# Altium PCB SEC_3002_DZ&HL.PcbDoc (part 7 of 7)
Units mm, origin at the board's own origin, x right, y up, seen from the top; angles counter-clockwise.
Board outline 200 x 170 mm, 2 copper layers (Top Layer, Bottom Layer); 589 components, 413 nets, 1696 pads, 1215 vias.
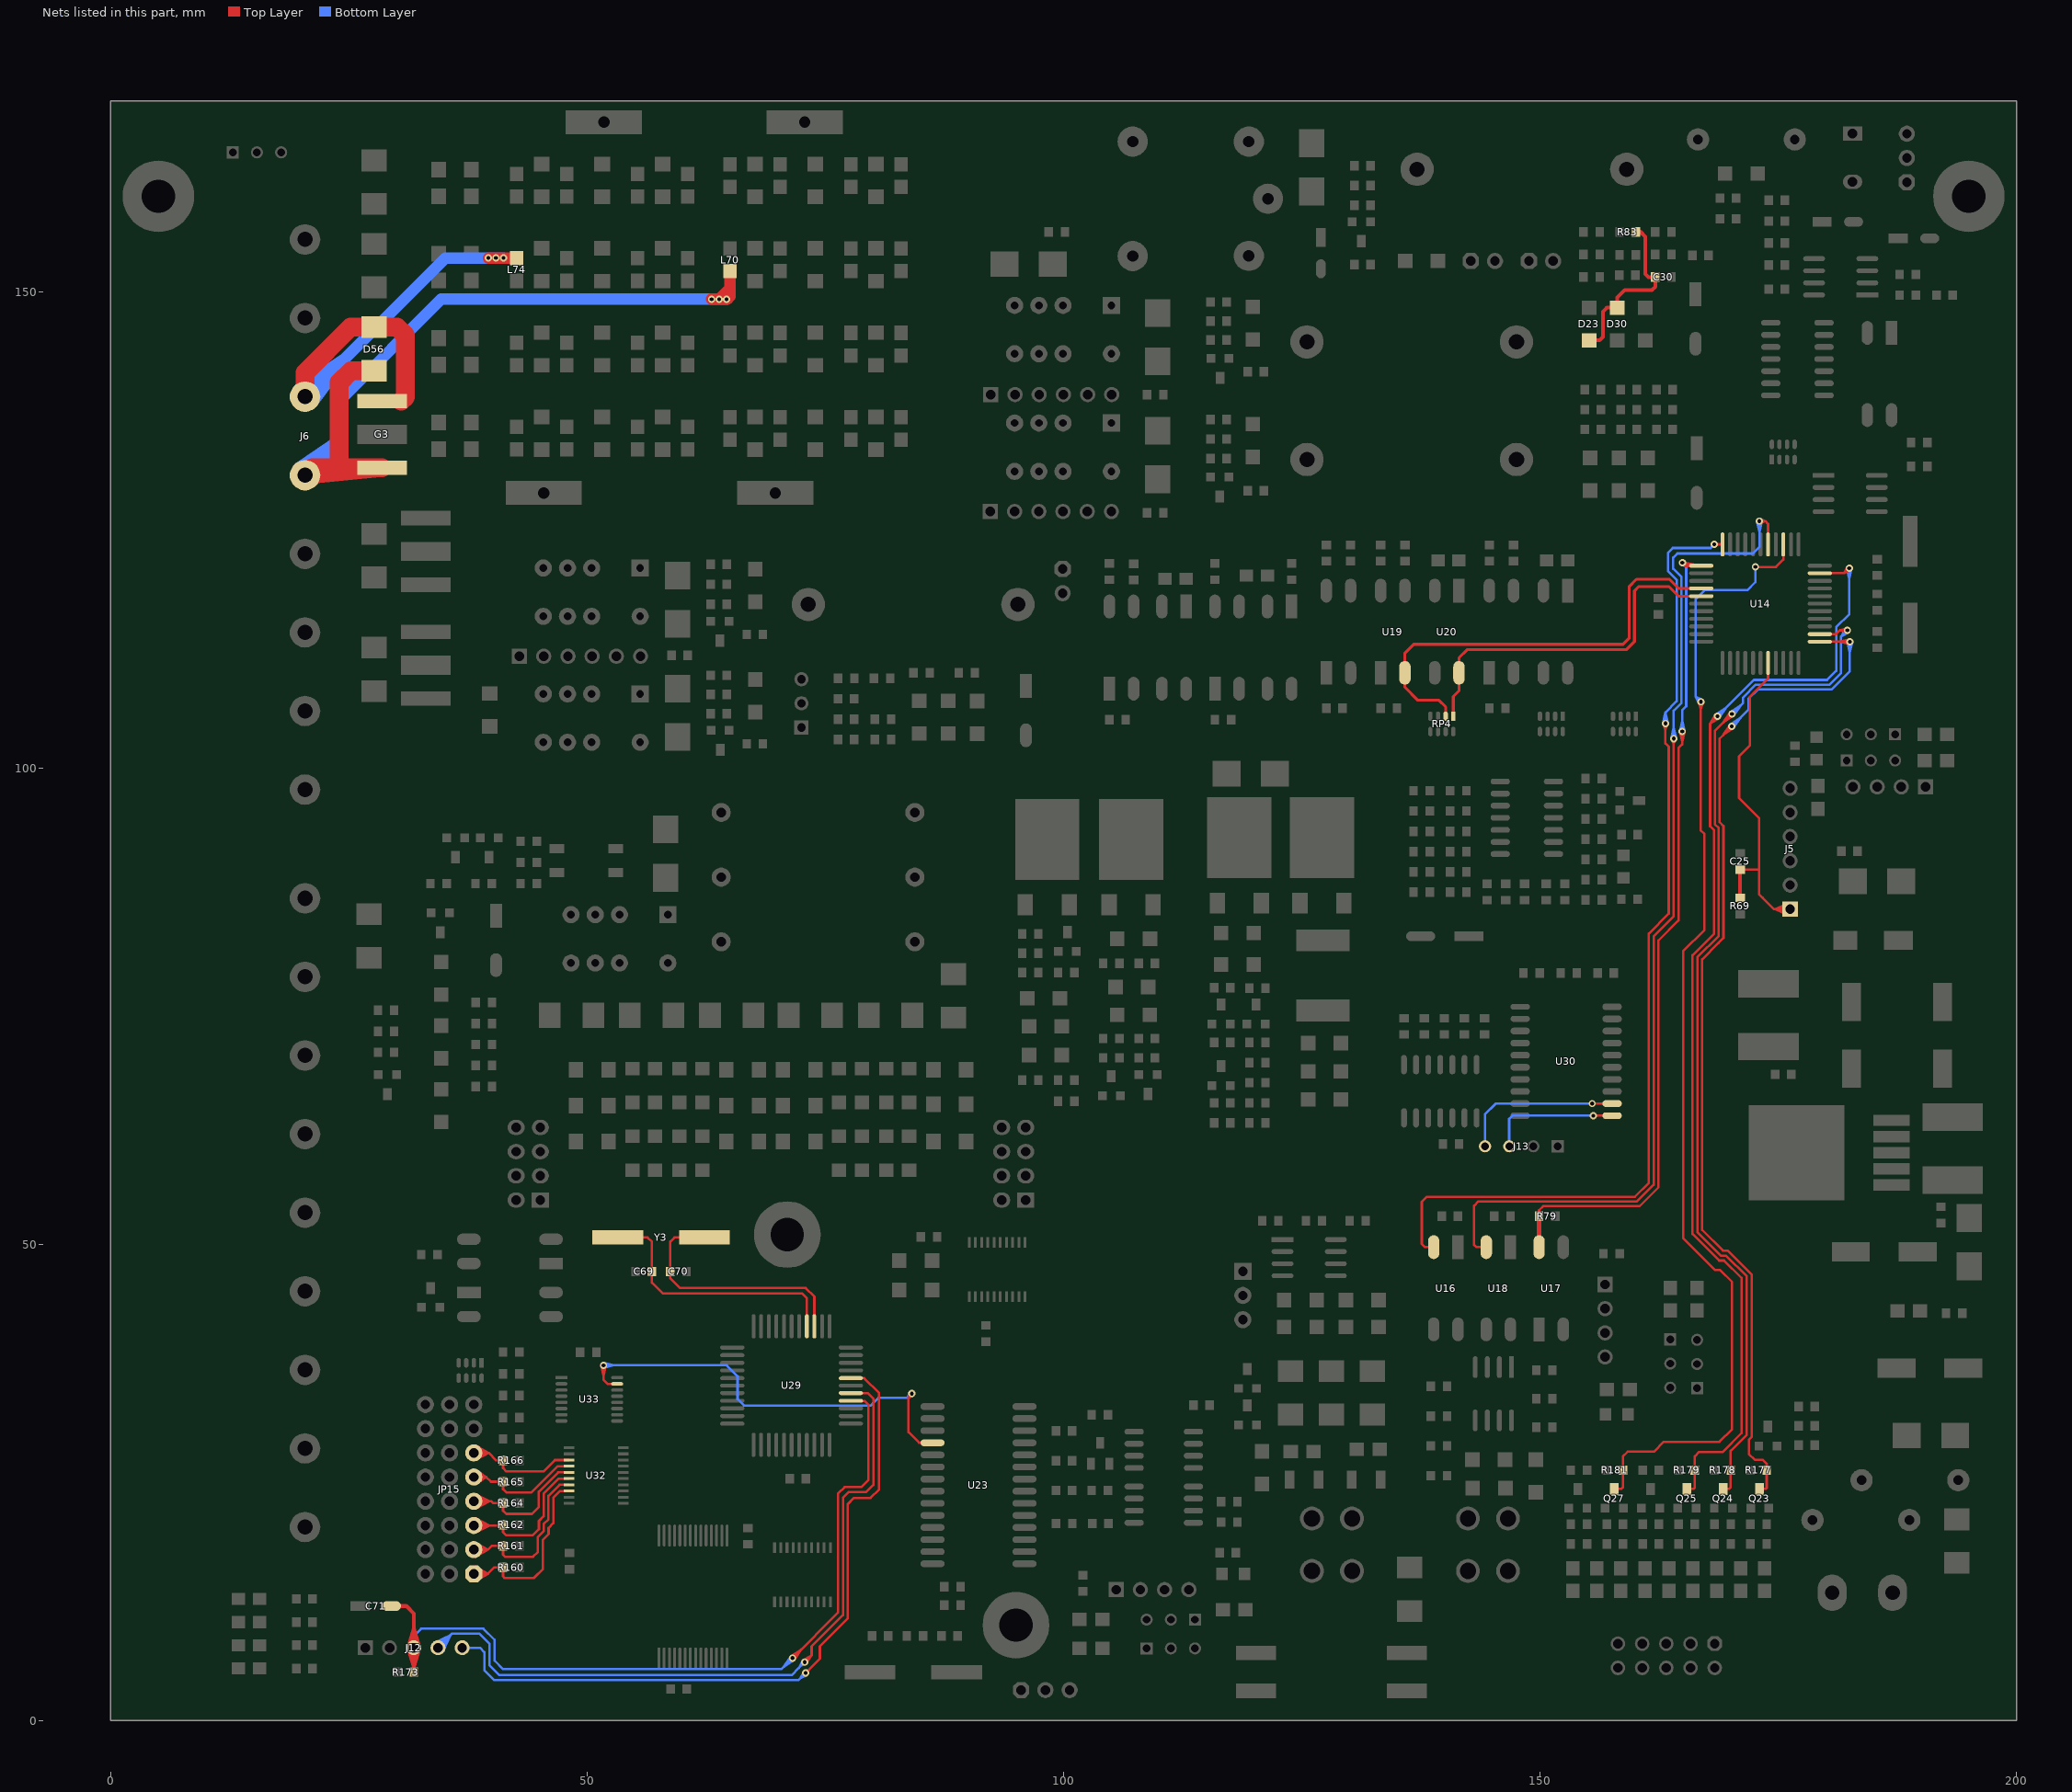
[diagram p7: the nets of this part, all layers, seen from the top]

## Via types
v1: diameter 0.762, hole 0.406, Top Layer to Bottom Layer, tented both sides, 786 vias
v2: diameter 0.7, hole 0.4, Top Layer to Bottom Layer, tented both sides, 375 vias
v3: diameter 1, hole 0.6, Top Layer to Bottom Layer, tented both sides, 41 vias
v4: diameter 0.9, hole 0.5, Top Layer to Bottom Layer, tented both sides, 4 vias
v5: diameter 0.8, hole 0.5, Top Layer to Bottom Layer, tented both sides, 4 vias
v6: diameter 1.016, hole 0.508, Top Layer to Bottom Layer, tented both sides, 3 vias
v7: diameter 0.9, hole 0.6, Top Layer to Bottom Layer, tented both sides, 1 vias
v8: diameter 0.762, hole 0.5, Top Layer to Bottom Layer, tented both sides, 1 vias

## Nets (pads, with @x,y where several pads share a name; then routed paths per layer and width w, separated by ;. In a path a pad name is that pad's centre, name@x,y a point inside that pad or via, vN(x,y) a via of type N, cw(c..) or ccw(c..) an arc to the next point about the centre after c; other vN are vias at no path point) (continued)
PWR_DC: Q23.C R177.2 U14.23 | length 119.8
  Top Layer w0.25: v1@169.926,104.512 169.212,103.438 ; v1@170.286,104.152 169.212,103.438 ; Q23.C@173.055,24.298 173.685,24.298 173.784,24.397 R177.2@173.784,26.27 173.784,26.93 173.356,27.358 172.538,27.358 171.918,27.977 171.918,29.468 172.226,29.775 172.226,46.784 169.694,49.315 169.179,49.315 167.01,51.484 167.01,79.903 168.716,81.609 169.251,82.144 169.251,93.885 168.847,94.289 168.847,103.073 v1(170.124,104.35) 169.212,103.438 ; 180.66,113.246 v1(182.52,113.246) 181.389,113.246 ; v1@182.491,112.991 181.389,113.246 ; v1@182.491,113.5 181.389,113.246
  Bottom Layer w0.25: v1@169.961,104.548 171.035,105.261 v1@170.322,104.188 ; v1(170.124,104.35) 171.871,106.097 171.871,107.241 172.858,108.228 174.002,108.228 180.584,108.228 182.514,110.158 182.514,113.239 v1(182.52,113.246) 182.514,112.115 ; v1@182.266,113.218 182.514,112.115 ; v1@182.774,113.215 182.514,112.115
PWR_DCE: Q27.C R181.2 U14.36 | length 125.1
  Top Layer w0.25: Q27.C@157.782,24.298 158.536,24.298 158.704,24.466 R181.2@158.704,26.27 158.704,27.734 159.189,28.219 161.957,28.219 162.982,29.244 168.826,29.244 170.151,30.569 170.151,46.03 168.906,47.275 168.391,47.275 165.01,50.656 165.01,80.731 167.251,82.972 167.251,93.056 166.847,93.461 166.847,106.176 ; v1@166.634,106.934 166.652,106.871 166.847,106.176 ; v1(166.889,106.937) 166.847,106.895 166.847,106.176 ; v1@167.147,106.892 167.125,106.838 166.847,106.176 ; v1(172.604,121.09) 174.772,121.09 175.53,121.849 U14.36@175.53,123.457
  Bottom Layer w0.25: v1@166.68,106.788 166.342,107.484 ; v1@167.037,107.145 166.342,107.484 ; v1(172.604,121.09) 172.604,119.489 171.761,118.646 167.25,118.646 166.342,117.738 166.342,107.484 ; 166.342,107.484 v1(166.889,106.937) 166.342,107.484
PWR_DCF: Q24.C R178.2 U14.24 | length 120
  Top Layer w0.25: Q24.C@169.236,24.298 169.84,24.298 170.014,24.472 R178.2@170.014,26.27 170.014,28.311 171.691,29.988 171.691,46.611 169.528,48.775 169.012,48.775 166.51,51.277 166.51,80.11 168.751,82.351 168.751,93.678 168.347,94.082 168.347,103.86 v1(170.141,105.654) 169.229,104.743 ; v1@169.942,105.817 169.229,104.743 ; v1@170.303,105.456 169.229,104.743 ; U14.24@179.365,114.033 181.059,114.033 181.463,114.438 ; v1@182.219,114.185 181.463,114.438 ; v1@182.219,114.69 181.463,114.438 ; 181.463,114.438 v1(182.26,114.438) 181.463,114.438
  Bottom Layer w0.25: v1@169.978,105.853 171.052,106.566 v1@170.339,105.492 ; v1(170.141,105.654) 171.303,106.817 171.303,107.38 172.651,108.728 173.214,108.728 180.377,108.728 181.598,109.949 181.598,113.776 ; v1@182.056,114.592 181.598,113.776 ; v1@182.415,114.233 181.598,113.776 ; 181.598,113.776 v1(182.26,114.438) 181.598,113.776
PWR_DCT: Q25.C R179.2 U14.32 | length 144
  Top Layer w0.25: Q25.C@165.418,24.298 166.098,24.298 166.244,24.444 R179.2@166.244,26.27 166.244,27.73 166.702,28.188 169.184,28.188 171.156,30.16 171.156,46.439 169.321,48.275 168.805,48.275 166.01,51.07 166.01,80.317 168.251,82.558 168.251,93.471 167.847,93.875 167.847,104.631 167.889,104.673 ; U14.32@179.365,120.434 181.929,120.434 ; v1@182.246,121.107 181.929,120.434 ; v1@182.603,120.751 181.929,120.434 ; 167.889,104.673 v1(168.616,105.4) ; 167.889,104.673 v1(168.616,105.4) ; 167.889,104.673 168.773,105.198 167.889,104.673 ; 167.889,104.673 168.413,105.557 167.889,104.673 ; 167.889,104.673 v1(168.616,105.4) ; 167.889,104.673 v1(168.616,105.4) ; 181.929,120.434 v1(182.455,120.96) 181.929,120.434
  Bottom Layer w0.25: v1@182.201,120.931 182.455,119.829 ; v1@182.71,120.931 182.455,119.829 ; v1@168.453,105.598 169.527,106.312 ; v1@168.453,105.598 169.527,106.312 ; v1@168.453,105.598 169.527,106.312 ; v1@168.453,105.598 169.527,106.312 ; v1(168.616,105.4) 172.444,109.228 180.126,109.228 181.086,110.189 181.086,114.778 182.455,116.147 v1(182.455,120.96) 182.455,119.829 ; v1(168.616,105.4) 169.527,106.312 ; v1(168.616,105.4) 169.527,106.312 ; v1@168.814,105.238 169.527,106.312 ; v1@168.814,105.238 169.527,106.312 ; v1@168.814,105.238 169.527,106.312 ; v1@168.814,105.238 169.527,106.312
RST: C71.2 J12.3 R173.2 U29.4 | length 110.3
  Top Layer w0.25: v1@71.39,6.744 72.463,7.458 v1@71.75,6.384 ; v1(71.552,6.546) 76.345,11.34 76.345,23.841 77.007,24.503 78.778,24.503 79.525,25.25 79.525,33.141 79.118,33.548 U29.4@77.672,33.548
  Top Layer w0.4: C71.2@29.454,12.014 31.009,12.014 31.799,11.224 J12.3@31.799,7.632 ; J12.3@31.221,7.546 31.799,5.647 ; J12.3@31.221,7.719 31.799,9.617 J12.3@32.378,7.719 ; R173.2@31.799,5.145 J12.3@31.799,7.632 ; J12.3@32.378,7.546 31.799,5.647 ; 31.799,5.647 J12.3@31.799,7.632
  Bottom Layer w0.25: J12.3@31.163,7.81 31.799,8.861 ; J12.3@31.395,7.701 31.799,8.861 ; J12.3@31.639,7.643 31.799,8.861 ; J12.3@31.799,7.632 31.799,8.861 ; J12.3@31.959,7.643 31.799,8.861 ; J12.3@32.203,7.701 31.799,8.861 ; J12.3@32.435,7.81 31.799,8.861 ; v1@71.354,6.708 70.64,5.635 ; v1@71.714,6.348 70.64,5.635 ; 31.799,8.861 32.568,9.629 39.109,9.629 40.277,8.461 40.277,6.287 41.181,5.383 70.389,5.383 v1(71.552,6.546) 70.64,5.635
RXD: J12.4 U29.5 | length 91.6
  Top Layer w0.254: v1@72.67,6.325 73.558,6.856 ; v1(72.827,6.125) 73.558,6.856 ; v1@73.027,5.968 73.558,6.856 ; U29.5@77.672,34.361 79.446,34.361 80.027,33.779 80.027,24.725 79.282,23.98 77.466,23.98 76.847,23.361 76.847,11.052 73.558,7.763 73.558,6.856
  Bottom Layer w0.254: J12.4@33.963,8.172 35.663,8.956 ; J12.4@34.086,7.947 35.663,8.956 ; J12.4@34.237,7.743 35.663,8.956 ; J12.4@34.339,7.632 35.834,9.127 38.659,9.127 39.731,8.055 39.731,5.789 40.762,4.757 71.459,4.757 72.195,5.493 ; J12.4@34.449,7.531 35.663,8.956 ; J12.4@34.654,7.379 35.663,8.956 ; J12.4@34.879,7.256 35.663,8.956 ; v1@72.596,6.191 72.195,5.493 ; v1(72.827,6.125) 72.506,5.804 ; v1@72.835,5.895 72.506,5.804 ; 72.195,5.493 72.506,5.804
RXD1: J13.3 U30.11 | length 13.8
  Top Layer w0.254: v1(155.582,63.485) U30.11@157.567,63.485
  Bottom Layer w0.254: J13.3@146.766,60.27 146.766,63.156 147.095,63.485 v1(155.582,63.485)
RXD_DZ: R79.1 U14.1 U17.4 | length 94.9
  Top Layer w0.25: R79.1@149.9,52.915 149.9,53.558 150.32,53.978 160.443,53.978 162.421,55.956 162.421,81.873 164.531,83.983 164.531,102.066 164.924,102.459 v1(164.924,103.823) 164.924,102.692 ; v1@164.67,103.794 164.924,102.692 ; v1@165.179,103.794 164.924,102.692
  Top Layer w0.381: U14.1@166.541,121.221 v1(164.938,121.542) 165.258,121.221 U14.1@166.919,121.221
  Top Layer w0.5: U17.4@149.9,49.681 R79.1@149.9,52.915
  Bottom Layer w0.25: v1@164.67,103.852 164.924,104.954 v1@165.179,103.852 ; v1@164.802,121.325 165.342,121.138 ; v1(164.924,103.823) 164.924,106.037 165.342,106.455 165.342,121.138 ; v1(164.938,121.542) 165.342,121.138 ; v1@165.155,121.678 165.342,121.138
"S.C. OPEN&SHORT CHECK": C30.1 D23.A D30.K R83.2 | length 18.8
  Top Layer w0.4: D23.A@155.151,144.873 156.249,144.873 156.597,145.221 156.597,147.878 157.021,148.302 D30.K@158.105,148.302 158.105,149.364 158.892,150.151 161.74,150.151 162.094,150.505 C30.1@162.094,151.516 161.376,151.516 161.061,151.832 161.061,155.732 160.538,156.255 R83.2@160.045,156.255
S.C.FAULTIN: RP4.1 U14.5 U20.4 | length 38.4
  Top Layer w0.3: RP4.1@140.894,105.408 140.894,107.482 141.494,108.081 U20.4@141.494,109.974 141.494,111.554 142.335,112.396 159.056,112.396 159.916,113.256 159.916,118.573 160.374,119.031 163.513,119.031 164.523,118.021 U14.5@166.919,118.021
S.C.OUTCTRL: RP4.2 U14.4 U19.2 | length 47.6
  Top Layer w0.3: RP4.2@140.094,105.408 140.094,106.389 139.392,107.091 137.177,107.091 135.819,108.449 U19.2@135.819,109.974 135.819,112.054 136.734,112.969 158.703,112.969 159.366,113.633 159.366,119.044 160.117,119.795 163.591,119.795 164.553,118.834 U14.4@166.919,118.834
S.C.OUTPUT+: D56.A G3.3 J6.2 L74.1 | length 72.1
  Top Layer w1.2: v1@39.665,153.493 L74.1@42.603,153.493
  Top Layer w2: G3.3@30.471,138.504 30.927,138.96 30.927,145.368 30.037,146.258 D56.A@27.631,146.258 25.173,146.258 20.387,141.472 ; 20.387,141.472 J6.2@20.387,138.967 20.387,141.472
  Bottom Layer w1.2: J6.2@19.76,139.746 24.619,143.009 ; J6.2@20.387,138.967 24.619,143.009 ; J6.2@20.576,138.967 35.103,153.493 v1@41.209,153.493 ; J6.2@21.137,138.305 24.619,143.009
  other v1: 39.639,153.519 40.424,153.519 41.209,153.519
S.C.OUTPUT-: D56.K G3.1 J6.1 L70.1 | length 99.4
  Top Layer w1.2: v1(63.057,149.189) v1(63.843,149.189) ; L70.1@64.984,152.135 64.984,150.33 ; v1(63.843,149.189) v1(64.628,149.189) 64.7,149.189 64.984,149.473 64.984,150.33 ; v1(63.843,149.189) 64.984,150.33
  Top Layer w2: J6.1@20.387,130.717 G3.1@28.203,131.504 ; J6.1@21.174,131.504 G3.1@28.463,131.504 ; 24.169,131.809 23.975,132.003 23.975,140.451 25.211,141.686 D56.K@27.631,141.686
  Bottom Layer w1.2: J6.1@19.749,131.487 24.157,134.487 ; J6.1@20.387,130.717 24.157,134.487 ; J6.1@21.157,130.079 24.157,134.487 ; v1@64.641,149.189 v1(64.628,149.189) v1(63.843,149.189) v1(63.057,149.189) 34.667,149.189 24.157,138.679 24.157,134.487
SJA: U23.4 U33.15 | length 55.2
  Top Layer w0.254: v1@51.457,37.256 51.71,36.142 ; v1@51.962,37.256 51.71,36.142 ; U33.15@53.145,35.333 52.144,35.333 51.71,35.768 v1(51.71,37.285) 51.71,36.142 ; v1@83.845,34.421 83.832,34.361 83.758,34.003 ; v1(84.068,34.312) 83.758,34.003 ; v1@84.205,34.128 84.191,34.119 83.721,33.82 ; U23.4@86.24,29.145 84.827,29.145 83.721,30.252 83.721,33.82 ; 83.721,33.82 83.721,33.965 83.758,34.003 ; 83.721,33.82 83.758,34.003
  Bottom Layer w0.254: v1(51.71,37.285) 64.621,37.285 65.786,36.119 65.786,33.732 66.461,33.057 79.769,33.057 80.573,33.86 83.616,33.86 ; v1@51.738,37.032 52.853,37.285 v1@51.738,37.537 ; v1@83.856,34.453 83.616,33.86 ; v1@84.208,34.101 83.616,33.86 ; 83.616,33.86 v1(84.068,34.312) 83.616,33.86
SK1: JP15.A1 R160.1 U32.18 | length 27.8
  Top Layer w0.254: JP15.A1@38.098,15.387 39.587,15.387 ; JP15.A1@38.122,15.123 39.587,15.387 ; JP15.A1@38.122,15.651 39.587,15.387 ; JP15.A1@38.189,14.876 39.587,15.387 ; JP15.A1@38.189,15.898 39.587,15.387 ; JP15.A1@38.299,14.64 39.587,15.387 ; JP15.A1@38.299,16.133 39.587,15.387 ; U32.18@48.107,24.084 47.144,24.084 46.436,23.376 46.436,20.702 45.943,20.209 45.943,19.556 45.345,18.958 45.345,15.882 44.414,14.951 41.338,14.951 41.171,15.118 R160.1@41.171,16.074 40.274,16.074 39.587,15.387
SK2: JP15.A2 R161.1 U32.17 | length 26
  Top Layer w0.254: JP15.A2@38.098,17.927 39.582,17.927 ; JP15.A2@38.122,17.663 39.582,17.927 ; JP15.A2@38.122,18.191 39.582,17.927 ; JP15.A2@38.189,17.416 39.582,17.927 ; JP15.A2@38.189,18.438 39.582,17.927 ; JP15.A2@38.3,17.18 39.582,17.927 ; JP15.A2@38.3,18.673 39.582,17.927 ; U32.17@48.107,24.734 47.082,24.734 45.932,23.585 45.932,21.115 45.439,20.621 45.439,19.87 44.823,19.254 44.823,17.69 44.318,17.185 41.372,17.185 41.171,17.386 R161.1@41.171,18.32 39.975,18.32 39.582,17.927
SK3: JP15.A3 R162.1 U32.16 | length 25.2
  Top Layer w0.254: JP15.A3@38.098,20.467 R162.1@41.073,20.467 ; JP15.A3@38.12,20.203 39.76,20.467 ; JP15.A3@38.12,20.731 39.76,20.467 ; JP15.A3@38.179,19.954 39.76,20.467 ; JP15.A3@38.179,20.979 39.76,20.467 ; JP15.A3@38.278,19.715 39.76,20.467 ; JP15.A3@38.278,21.218 39.76,20.467 ; R162.1@41.171,20.565 41.171,19.772 41.521,19.422 44.278,19.422 44.935,20.079 44.935,20.935 45.428,21.428 45.428,23.794 47.019,25.384 U32.16@48.107,25.384
SK4: JP15.A4 R164.1 U32.15 | length 23.7
  Top Layer w0.254: JP15.A4@38.098,23.007 39.942,23.007 40.138,22.81 R164.1@41.171,22.81 41.171,22.014 41.505,21.68 44.189,21.68 44.924,22.416 44.924,24.002 46.956,26.034 U32.15@48.107,26.034 ; JP15.A4@38.12,22.743 39.76,23.007 ; JP15.A4@38.12,23.271 39.76,23.007 ; JP15.A4@38.179,22.494 39.76,23.007 ; JP15.A4@38.179,23.519 39.76,23.007 ; JP15.A4@38.278,22.255 39.76,23.007 ; JP15.A4@38.278,23.758 39.76,23.007
SK5: JP15.A5 R165.1 U32.14 | length 20.1
  Top Layer w0.254: JP15.A5@38.098,25.547 39.404,25.547 ; JP15.A5@38.125,25.283 39.404,25.547 ; JP15.A5@38.125,25.81 39.404,25.547 ; JP15.A5@38.202,25.038 39.404,25.547 ; JP15.A5@38.202,26.055 39.404,25.547 ; JP15.A5@38.327,24.808 39.404,25.547 ; JP15.A5@38.327,26.285 39.404,25.547 ; U32.14@48.107,26.684 46.893,26.684 44.147,23.938 41.516,23.938 41.171,24.283 R165.1@41.171,25.056 39.895,25.056 39.404,25.547
SK6: JP15.A6 R166.1 U32.13 | length 21.1
  Top Layer w0.254: JP15.A6@38.098,28.087 39.652,28.087 ; JP15.A6@38.121,27.823 39.652,28.087 ; JP15.A6@38.121,28.351 39.652,28.087 ; JP15.A6@38.185,27.575 39.652,28.087 ; JP15.A6@38.185,28.598 39.652,28.087 ; JP15.A6@38.291,27.338 39.652,28.087 ; JP15.A6@38.291,28.835 39.652,28.087 ; U32.13@48.107,27.334 46.609,27.334 45.419,26.145 41.526,26.145 41.171,26.5 R166.1@41.171,27.301 40.438,27.301 39.652,28.087
TX_RX_CTRL: U14.38 U18.2 | length 115.8
  Top Layer w0.25: U18.2@144.359,49.681 143.315,49.681 143.088,49.908 143.088,54.026 143.54,54.478 160.167,54.478 161.921,56.232 161.921,82.305 164.031,84.415 164.031,102.559 ; v1@163.83,102.971 163.831,102.968 164.031,102.559 ; v1(164.031,103.066) 164.031,102.559 ; v1@164.228,102.957 164.031,102.559 ; v1(173.019,125.902) 173.63,125.902 ; v1@173.073,125.652 173.63,125.902 ; v1@173.073,126.152 173.63,125.902 ; U14.38@173.93,123.457 173.93,125.602 173.63,125.902
  Bottom Layer w0.25: v1@163.777,103.095 164.031,104.197 v1@164.285,103.095 ; v1(164.031,103.066) 164.031,105.989 164.842,106.801 164.842,120.034 163.982,120.894 163.982,122.076 164.406,122.5 172.324,122.5 173.019,123.195 v1(173.019,125.902) 173.019,124.771 ; v1@172.765,125.873 173.019,124.771 ; v1@173.274,125.873 173.019,124.771
TXD: J12.5 U29.7 | length 78.2
  Top Layer w0.254: v1@72.904,5.213 73.256,5.317 ; v1(72.918,4.979) 73.256,5.317 ; v1@73.151,4.907 73.154,4.918 73.256,5.317 ; U29.7@77.672,35.935 79.075,35.935 80.629,34.382 80.629,24.251 79.741,23.364 77.994,23.364 77.351,22.721 77.351,10.713 74.424,7.785 74.424,6.484 73.256,5.317
  Bottom Layer w0.254: J12.5@36.879,7.632 38.747,7.632 39.212,7.168 39.212,5.289 40.275,4.226 72.165,4.226 72.375,4.435 ; v1@72.699,5.014 72.375,4.435 ; v1(72.918,4.979) 72.375,4.435 ; v1@72.977,4.722 72.375,4.435
TXD1: J13.4 U30.12 | length 17.2
  Top Layer w0.254: v1(155.475,64.755) U30.12@157.567,64.755
  Bottom Layer w0.254: J13.4@144.226,60.27 144.226,63.636 145.345,64.755 v1(155.475,64.755)
TXD_DZ: U14.44 U16.2 | length 108
  Top Layer w0.25: U16.2@138.845,49.681 137.925,49.681 137.593,50.013 137.593,54.447 138.124,54.978 159.96,54.978 161.421,56.439 161.421,82.61 163.505,84.694 163.505,102.211 163.157,102.559 163.157,103.989 ; v1@162.94,104.586 162.942,104.58 163.157,103.989 ; v1(163.157,104.658) 163.157,103.989 ; v1@163.338,104.521 163.157,103.989
  Top Layer w0.3: v1(168.296,123.457) U14.44@169.155,123.457
  Bottom Layer w0.25: v1@162.903,104.687 163.157,105.789 v1@163.412,104.687 ; v1(163.157,104.658) 163.157,105.823 164.342,107.008 164.342,119.736 163.423,120.655 163.423,122.567 163.932,123.076 167.915,123.076 v1(168.296,123.457)
VPP: C25.1 J5.1 R69.2 U14.18 | length 46.6
  Top Layer w0.25: C25.1@170.998,89.334 172.951,89.334 ; 173.365,86.353 172.985,86.733 ; U14.18@173.93,111.011 173.93,109.369 172.035,107.474 172.035,102.353 170.889,101.207 170.889,96.829 172.985,94.733 172.985,86.733 ; J5.1@176.099,84.5 174.696,85.158 ; J5.1@176.099,85.817 174.696,85.158 ; J5.1@176.188,84.737 174.696,85.158 ; J5.1@176.188,85.579 174.696,85.158 ; J5.1@176.236,84.984 174.696,85.158 ; J5.1@176.236,85.333 174.696,85.158 ; 172.985,86.733 174.56,85.158 J5.1@176.246,85.158 174.696,85.158
  Top Layer w0.4: R69.2@170.998,86.352 C25.1@170.998,89.334
XTAL1: C69.1 U29.15 Y3.2 | length 27.2
  Top Layer w0.25: Y3.2@53.218,50.708 56.333,50.708 56.791,50.249 C69.1@56.791,47.12 56.791,45.962 57.92,44.833 72.52,44.833 73.049,44.303 U29.15@73.049,42.129
XTAL2: C70.1 U29.14 Y3.1 | length 26.7
  Top Layer w0.25: Y3.1@62.318,50.708 59.158,50.708 58.722,50.272 C70.1@58.722,47.12 58.722,46.413 59.734,45.401 72.946,45.401 73.837,44.51 U29.14@73.837,41.371
pads on no net: 3.0 3_1.0 4.1 4_1.1 J5.6 J8.10 JP12.1 K1.3 K1.10 K2.1A RP4.4 RP6.1 RP6.2 RP7.1 RP7.2 U8.10 U8.11 U8.13 U13.7 U14.2 U14.12 U14.13 U14.19 U14.25 U14.26 U14.27 U14.33 U14.34 U14.39 U14.40 U21.8 U21.9 U21.10 U21.11 U21.12 U21.13 U23.7 U23.14 U24.1 U24.4 U25.5 U26.1 U26.4 U29.1 U29.3 U29.9 U29.10 U29.26 U29.41 U29.44 U30.1 U30.2 U30.3 U30.4 U30.5 U30.6 U30.7 U30.9 U30.14 U30.17 U30.18 U30.19 U31.5 U31.6 U31.9 U31.15 U31.19 U33.7 U33.9 U33.10 U33.11 U33.12

## Polygon pours and split planes (outlines as drawn)
DP485GND on Bottom Layer "Bottom Layer-DP485GND" (solid, remove dead copper, pour order 20): 136.725,43.092 136.725,31.75 136.204,31.229 136.095,31.12 136.095,21.256 136.095,20.982 133.328,18.215 133.355,18.187 133.355,10.132 133.355,10.05 133.821,9.584 133.958,9.721 149.712,9.721 149.712,9.937 149.75,9.976 149.838,10.064 149.838,19.242 149.838,19.462 151.736,21.36 151.593,21.503 151.593,28.539 151.943,28.539 152.53,29.126 160.825,29.126 162.281,30.582 166.517,30.582 167.223,30.582 168.68,32.038 168.371,32.347 168.371,38.348 168.371,38.48 168.194,38.657 167.974,38.878 162.37,38.878 162.061,38.878 159.281,41.657 159.104,41.834 155.53,41.834 155.442,41.834 153.942,43.334
24VGND on Bottom Layer "Bottom Layer-24VGND" (solid, remove dead copper, pour order 16): 170.53,77.081 170.553,77.059 199.939,77.059 199.939,28.856 199.942,28.852 199.928,28.866 182.32,28.866 182.32,37.101 181.668,37.753 181.464,37.957 176.044,37.957 176.044,53.139 176.044,53.143 175.43,53.757 175.238,53.949 170.393,53.949 170.393,77.062
24VGND on Bottom Layer "Bottom Layer-24VGND" (solid, remove dead copper, pour order 19): 88.419,170.019 88.378,125.909 88.378,125.751 42.147,125.383 42.054,105.712 41.568,105.226 35.333,105.167 35.333,95.162 51.319,95.162 53.091,96.935 53.516,97.122 57.824,97.11 59.332,98.618 59.756,98.806 94.462,98.794 97.656,101.988 98.081,102.176 101.108,102.164 101.102,112.06 101.708,112.672 124.56,112.66 127.395,115.495 128.041,115.684 156.853,115.671 156.853,119.916 156.955,120.25 162.045,125.356 162.352,125.52 165.733,125.532 170.539,130.337 170.55,136.684 171.139,137.179 181.153,137.167 181.165,141.736 181.754,142.231 199.945,142.107 200.024,169.878